# KiCad board gk-pcbv3.kicad_pcb (continued)
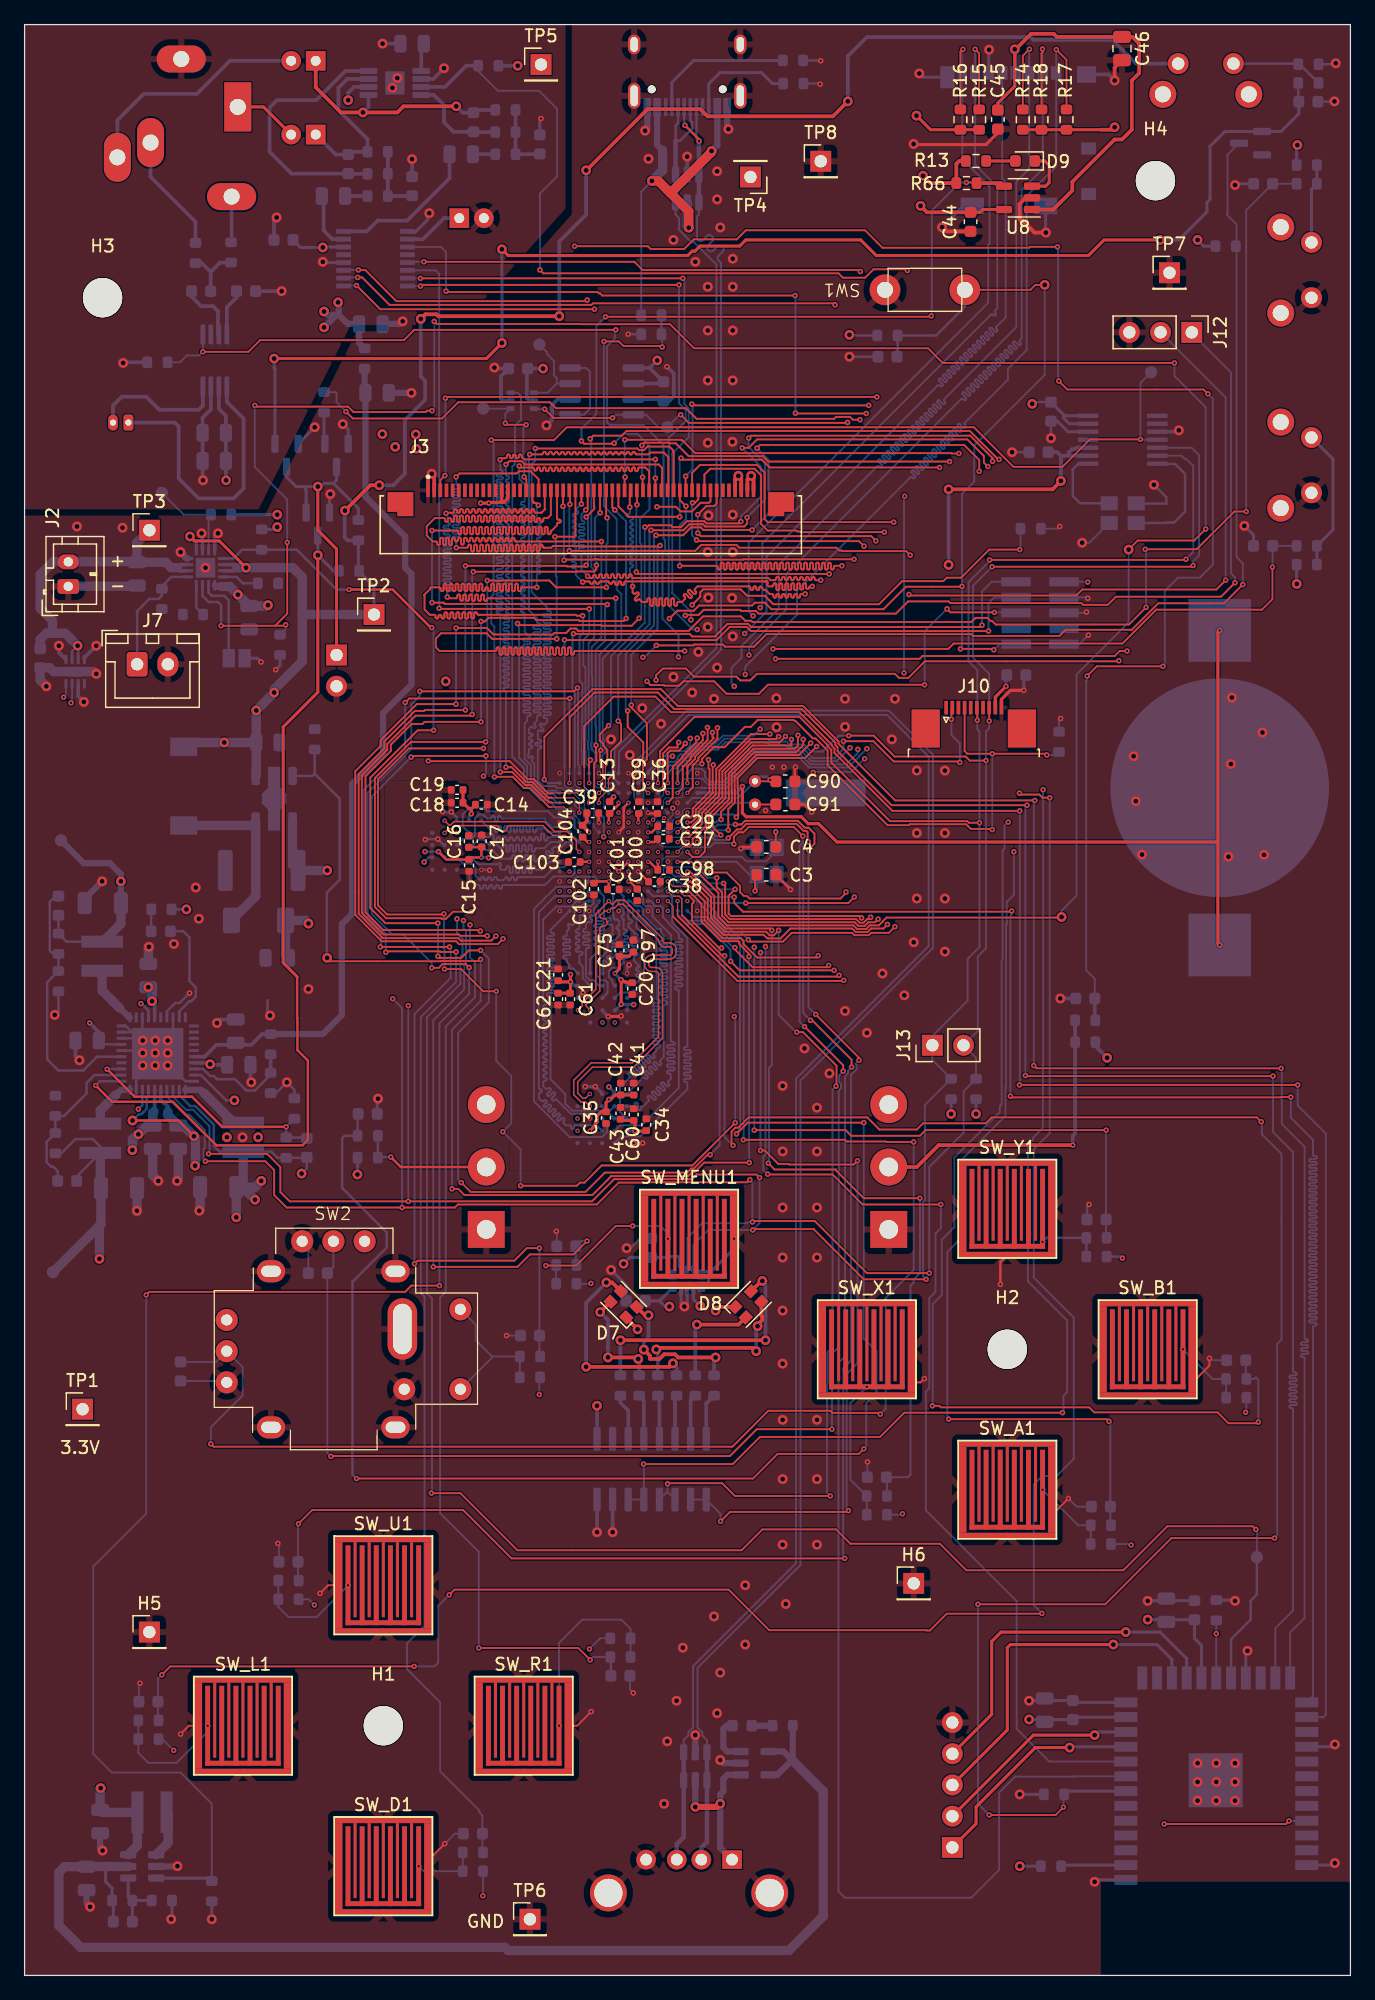
[diagram p0: board, top side]
## Routing (per net, layer and track width the routed paths; a pad name or vN(x,y) marks a point on that pad's centre or on a via; arc(x,y) is an arc through that point) (continued)
  Bottom w0.152: U4.P1 56.02,86.17 56.02,86.09 57.51,84.61 58.09,84.61 58.55,84.15 58.55,68.02 v1(58.52,68) ; v1(15.16,43.26) 15.16,44.6 17.75,47.19 17.75,49.5 SW2.9 15.58,49.92 C95.1 ; v1(72.39,67.82) 72.39,57.4 70.1,55.12 70.1,46.1 v1(69.67,45.67)
LCD_CS: length 75.3
  Top w0.09: v3(53.17,87.43) 53.17,86.23 53.18,86.22
  Top w0.152: 53.18,86.22 58.12,81.28 66.22,81.28 v1(66.32,81.38) ; v1(70,117.45) 63.2,117.45 63.14,117.5 62.92,117.5 62.84,117.58 60.5,117.58 59.97,118.11 59.97,122.07 59.44,122.61 55.83,122.61 55.35,122.13 J3.46
  In3.Cu w0.152: v1(70,117.45) 69.98,117.42 69.98,111.3 65.81,107.14 65.81,99.34 65.51,99.03 65.51,84.76 65.56,84.71 65.56,84.58 66.32,83.82 v1(66.32,81.38)
LCD_RESET: length 35.8
  Top w0.152: v1(51.49,119.51) 53.04,119.51 53.41,119.14 54.34,119.14 55.04,119.84 55.73,119.84 55.85,119.96 J3.47
  In3.Cu w0.152: v1(51.49,119.51) 52.55,118.44 52.55,111.28 49.63,108.36 49.63,104.88 50.98,103.53 50.98,102.77 50.52,102.31 50.52,99.54 49.52,98.54 49.52,97.14 49.93,96.73 49.93,96.44 49.78,96.3 49.78,96.16 50.27,95.68 50.27,94.54 50.55,94.26 50.88,94.26 51.09,94.04 v3(51.17,94.04)
  Bottom w0.152: U4.E5 51.57,94.43 v3(51.17,94.04)
LCD_SCL: length 72.1
  Top w0.152: v1(57.83,83.65) 57.83,83.49 59.28,82.04 65.32,82.04 v1(65.47,82.19) ; v1(54.71,116.81) 54.71,116.79 54.79,116.71 67.94,116.71 v1(68.35,116.31) ; v1(54.38,119.84) 54.58,119.84 54.85,120.1 J3.45
  In3.Cu w0.152: v1(65.47,82.19) 65.47,83.45 65.2,83.72 65.2,83.92 64.92,84.2 64.92,99.29 65.23,99.59 65.23,100.63 65.15,100.71 65.15,107.7 68.33,110.87 68.33,116.28 v1(68.35,116.31)
  Bottom w0.09: U4.N5 51.93,88.23 51.93,88.24 52.27,88.58 52.49,88.58 52.72,88.35 52.72,88.07 52.95,87.85 53.28,87.85 53.54,87.59 53.54,86.3
  Bottom w0.152: v1(54.71,116.81) 54.33,117.2 54.33,119.79 v1(54.38,119.84) ; 53.54,86.3 54,85.83 55.5,85.83 57.68,83.65 v1(57.83,83.65)
LCD_SDI: length 79.5
  Top w0.09: 52.8,86.22 52.8,86.99 v3(52.37,87.43)
  Top w0.152: v1(66.7,80.98) 66.65,80.92 58.04,80.92 52.8,86.16 52.8,86.22 ; v1(70.76,118.26) 60.5,118.26 60.25,118.52 60.25,122.3 59.64,122.91 54.99,122.91 54.35,122.27 J3.44
  In3.Cu w0.152: v1(70.76,118.26) 70.76,111.15 66.17,106.55 66.17,105.33 66.12,105.28 66.12,99.21 65.81,98.91 65.81,84.86 66.72,83.95 66.72,81 v1(66.7,80.98)
LCD_SDO: length 71.7
  Top w0.152: v1(54.81,118.87) 55.5,119.56 56.13,119.56 56.35,119.77 J3.48 ; v1(54.81,117.37) 55.07,117.12 68.94,117.12 v1(69.32,116.74) ; v1(57.48,82.52) 58.22,81.79 v1(65.91,81.79)
  In3.Cu w0.152: v1(69.32,116.74) 69.29,116.71 69.29,111.23 65.48,107.42 65.48,99.44 65.18,99.14 65.18,84.99 65.2,84.96 65.2,84.35 65.91,83.64 v1(65.91,81.79)
  Bottom w0.152: v1(57.48,82.52) 57.48,83.45 56.91,84.02 56.91,84.06 55.4,85.57 53.9,85.57 53.17,86.31 U4.R3 ; v1(54.81,118.87) v1(54.81,117.37)
LED_BACKLIGHT_PWM: length 103
  Top w0.152: v1(58.98,82.91) 58.98,83.14 58.17,83.96 58.17,84.07 58.08,84.16 56.71,84.16 55.11,85.76 55.11,87.21 54.1,88.23 v3(53.97,88.23) ; v2(24.64,82.8) 24.91,82.53 33.92,82.53 33.94,82.55 37,82.55 v1(37.13,82.68) ; v1(34.8,64.01) 35.31,64.01 35.81,63.5 46.23,63.5 47.75,65.02 47.75,65.05 54.03,65.05 54.39,65.41 54.59,65.41 55.33,66.14 v1(59,66.14)
  Bottom w0.152: v1(37.13,82.68) 37.13,79.3 34.8,76.96 v1(34.8,64.01) ; v1(59,66.14) 59,67.09 58.98,67.11 v1(58.98,82.91)
  Bottom w0.203: U22.3 23.44,97.61 23.62,97.79 ; 23.62,97.79 25.65,95.76 25.65,89.15 24.61,88.11 24.61,82.83 v2(24.64,82.8) ; 23.62,97.79 R4.1
LPTIM5_OUT: length 145.9
  Top w0.152: v1(33.12,39.24) 35.48,39.24 40.13,34.59 58.37,34.59 60.07,36.3 66.07,36.3 67.23,35.13 74.52,35.13 76.68,32.97 89.46,32.97 93.04,36.55 100,36.55 v1(100.25,36.3)
  In3.Cu w0.09: v3(45.17,89.83) 44.84,90.15 43.74,90.15
  In3.Cu w0.152: 43.74,90.15 43.5,90.15 39.52,86.17 36.24,86.17 36.15,86.26 35.48,86.26 v1(35.2,85.98)
  Bottom w0.152: v1(100.25,36.3) 100.33,36.22 TP15.1 ; v1(35.2,85.98) 35.2,84.84 35.66,84.38 35.66,83.08 35.48,82.91 35.48,80.7 32.77,77.98 32.77,55.5 33.17,55.09 33.17,39.29 v1(33.12,39.24)
  Bottom w0.203: U25.20 98.23,27.36 99.82,28.96 99.82,30.48 100.33,30.99 TP15.1
LTDC_B0: length 83.6
  Top w0.152: v1(55.87,89.75) 57.17,89.75 58.26,88.66 58.26,88.15 58.56,87.85 58.81,87.85 59.03,87.63 66.42,87.63 66.88,88.09 v1(66.88,88.16) ; v1(54.33,127.86) 54.43,127.76 v1(68.73,127.76) ; J3.43 53.82,120.88 v1(53.82,122)
  In3.Cu w0.152: v1(68.73,127.76) 73.28,123.22 73.28,110.36 69.24,106.32 69.24,99.49 69.22,99.46 69.22,99.25 66.88,96.92 v1(66.88,88.16)
  Bottom w0.09: 55.11,90.18 55.08,90.21 52.14,90.21 52.04,90.11 52.04,89.67 51.57,89.2 U4.M5
  Bottom w0.152: v1(55.87,89.75) 55.44,90.18 55.11,90.18 ; v1(53.82,122) 54.38,122.56 54.38,127.81 v1(54.33,127.86)
LTDC_B1: length 68.2
  Top w0.152: v1(53.34,114.71) 56.34,114.71 arc(56.4,114.68) 56.43,114.61 56.43,114.5 arc(56.46,114.43) 56.53,114.41 56.58,114.41 arc(56.65,114.43) 56.68,114.5 56.68,114.86 arc(56.7,114.93) 56.77,114.96 56.82,114.96 arc(56.89,114.93) 56.92,114.86 56.92,114.5 arc(56.95,114.43) 57.02,114.41 57.06,114.41 arc(57.13,114.43) 57.16,114.5 57.16,114.86 arc(57.19,114.93) 57.26,114.96 57.31,114.96 arc(57.37,114.93) 57.4,114.86 57.4,114.5 arc(57.43,114.43) 57.5,114.41 57.55,114.41 arc(57.62,114.43) 57.65,114.5 57.65,114.86 arc(57.67,114.93) 57.74,114.96 57.79,114.96 arc(57.86,114.93) 57.89,114.86 57.89,114.5 arc(57.92,114.43) 57.98,114.41 58.03,114.41 arc(58.1,114.43) 58.13,114.5 58.13,114.86 arc(58.16,114.93) 58.23,114.96 58.28,114.96 arc(58.34,114.93) 58.37,114.86 58.37,114.5 arc(58.4,114.43) 58.47,114.41 58.52,114.41 arc(58.59,114.43) 58.61,114.5 58.61,114.86 arc(58.64,114.93) 58.71,114.96 58.76,114.96 arc(58.83,114.93) 58.86,114.86 58.86,114.5 arc(58.89,114.43) 58.95,114.41 59,114.41 arc(59.07,114.43) 59.1,114.5 59.1,114.86 arc(59.13,114.93) 59.2,114.96 59.25,114.96 arc(59.31,114.93) 59.34,114.86 59.34,114.5 arc(59.37,114.43) 59.44,114.41 59.49,114.41 arc(59.56,114.43) 59.58,114.5 59.58,114.86 arc(59.61,114.93) 59.68,114.96 59.73,114.96 arc(59.8,114.93) 59.83,114.86 59.83,114.5 arc(59.86,114.43) 59.92,114.41 59.97,114.41 arc(60.04,114.43) 60.07,114.5 60.07,114.86 arc(60.1,114.93) 60.17,114.96 60.21,114.96 arc(60.28,114.93) 60.31,114.86 60.31,114.5 arc(60.34,114.43) 60.41,114.41 60.46,114.41 arc(60.53,114.43) 60.55,114.5 60.55,114.86 arc(60.58,114.93) 60.65,114.96 60.7,114.96 arc(60.77,114.93) 60.8,114.86 60.8,114.5 arc(60.82,114.43) 60.89,114.41 60.94,114.41 arc(61.01,114.43) 61.04,114.5 61.04,114.86 arc(61.07,114.93) 61.14,114.96 61.18,114.96 arc(61.25,114.93) 61.28,114.86 61.28,114.5 arc(61.31,114.43) 61.38,114.41 61.43,114.41 arc(61.5,114.43) 61.52,114.5 61.52,114.86 arc(61.55,114.93) 61.62,114.96 61.67,114.96 arc(61.74,114.93) 61.77,114.86 61.77,114.5 arc(61.79,114.43) 61.86,114.41 61.91,114.41 arc(61.98,114.43) 62.01,114.5 62.01,114.86 arc(62.04,114.93) 62.11,114.96 62.15,114.96 arc(62.22,114.93) 62.25,114.86 62.25,114.5 arc(62.28,114.43) 62.35,114.41 62.4,114.41 arc(62.46,114.43) 62.49,114.5 62.49,114.86 arc(62.52,114.93) 62.59,114.96 62.64,114.96 arc(62.71,114.93) 62.74,114.86 62.74,114.5 arc(62.76,114.43) 62.83,114.41 62.88,114.41 arc(62.95,114.43) 62.98,114.5 62.98,114.86 arc(63.01,114.93) 63.08,114.96 63.12,114.96 arc(63.19,114.93) 63.22,114.86 63.22,114.5 arc(63.25,114.43) 63.32,114.41 63.37,114.41 arc(63.43,114.43) 63.46,114.5 63.46,114.86 arc(63.49,114.93) 63.56,114.96 63.61,114.96 arc(63.68,114.93) 63.71,114.86 63.71,114.5 arc(63.73,114.43) 63.8,114.41 63.85,114.41 arc(63.92,114.43) 63.95,114.5 63.95,114.86 arc(63.98,114.93) 64.04,114.96 64.09,114.96 arc(64.16,114.93) 64.19,114.86 64.19,114.5 arc(64.22,114.43) 64.29,114.41 64.34,114.41 arc(64.4,114.43) 64.43,114.5 64.43,114.86 arc(64.46,114.93) 64.53,114.96 64.58,114.96 arc(64.65,114.93) 64.67,114.86 64.67,114.5 arc(64.7,114.43) 64.77,114.41 64.82,114.41 arc(64.89,114.43) 64.92,114.5 64.92,114.86 arc(64.95,114.93) 65.01,114.96 65.06,114.96 arc(65.13,114.93) 65.16,114.86 65.16,114.5 arc(65.19,114.43) 65.26,114.41 65.31,114.41 arc(65.37,114.43) 65.4,114.5 65.4,114.86 arc(65.43,114.93) 65.5,114.96 65.55,114.96 arc(65.62,114.93) 65.64,114.86 65.64,114.5 arc(65.67,114.43) 65.74,114.41 65.79,114.41 arc(65.86,114.43) 65.89,114.5 65.89,114.61 arc(65.92,114.68) 65.98,114.71 v1(66.55,114.71) ; v1(64,100.28) 63.03,99.3 59.55,99.3 57.81,97.56 57.81,96.49 57.83,96.47 57.83,95.44 57.29,94.91 v1(57.29,93.2) ; J3.42 53.35,120.05 v1(53.85,119.56)
  In3.Cu w0.152: v1(64,100.28) 63.91,100.37 63.91,108.1 66.45,110.64 66.45,114.6 v1(66.55,114.71)
  Bottom w0.152: v1(57.29,93.2) 57.28,93.19 55.95,93.19 55.31,93.83 U4.F1 ; v1(53.85,119.56) 53.85,118.52 53.34,118.01 v1(53.34,114.71)
LTDC_B2: length 66.5
  Top w0.152: v1(41.58,124.26) 49.89,124.26 50.03,124.12 50.43,124.12 50.72,124.41 52.5,124.41 52.78,124.13 52.78,124 52.86,123.93 52.86,120.86 J3.41
  Bottom w0.09: 43.4,96.63 43.78,96.63 44.19,96.23 U4.C14
  Bottom w0.152: 43.4,96.63 43.37,96.63 43.22,96.78 42.28,96.78 41.78,97.28 41.78,99.74 arc(41.81,99.81) 41.88,99.84 41.99,99.84 arc(42.05,99.86) 42.08,99.93 42.08,99.98 arc(42.05,100.05) 41.99,100.08 41.68,100.08 arc(41.61,100.11) 41.58,100.17 41.58,100.22 arc(41.61,100.29) 41.68,100.32 41.99,100.32 arc(42.05,100.35) 42.08,100.42 42.08,100.47 arc(42.05,100.53) 41.99,100.56 41.88,100.56 arc(41.81,100.59) 41.78,100.66 41.78,101.24 41.86,101.32 arc(41.93,101.35) 42,101.32 42.07,101.24 arc(42.14,101.22) 42.21,101.24 42.24,101.28 arc(42.27,101.35) 42.24,101.42 41.95,101.7 arc(41.93,101.77) 41.95,101.84 41.99,101.87 arc(42.06,101.9) 42.13,101.87 42.2,101.8 arc(42.27,101.77) 42.34,101.8 42.55,102.01 42.55,102.21 arc(42.52,102.28) 42.45,102.31 42.34,102.31 arc(42.27,102.34) 42.24,102.41 42.24,102.45 arc(42.27,102.52) 42.34,102.55 42.75,102.55 arc(42.82,102.58) 42.84,102.65 42.84,102.7 arc(42.82,102.77) 42.75,102.79 42.34,102.79 arc(42.27,102.82) 42.24,102.89 42.24,102.94 arc(42.27,103.01) 42.34,103.04 42.75,103.04 arc(42.82,103.06) 42.84,103.13 42.84,103.18 arc(42.82,103.25) 42.75,103.28 42.34,103.28 arc(42.27,103.31) 42.24,103.38 42.24,103.42 arc(42.27,103.49) 42.34,103.52 42.75,103.52 arc(42.82,103.55) 42.84,103.62 42.84,103.67 arc(42.82,103.73) 42.75,103.76 42.34,103.76 arc(42.27,103.79) 42.24,103.86 42.24,103.91 arc(42.27,103.98) 42.34,104.01 42.75,104.01 arc(42.82,104.03) 42.84,104.1 42.84,104.15 arc(42.82,104.22) 42.75,104.25 42.34,104.25 arc(42.27,104.28) 42.24,104.34 42.24,104.39 arc(42.27,104.46) 42.34,104.49 42.75,104.49 arc(42.82,104.52) 42.84,104.59 42.84,104.64 arc(42.82,104.7) 42.75,104.73 42.34,104.73 arc(42.27,104.76) 42.24,104.83 42.24,104.88 arc(42.27,104.95) 42.34,104.98 42.75,104.98 arc(42.82,105) 42.84,105.07 42.84,105.12 arc(42.82,105.19) 42.75,105.22 42.34,105.22 arc(42.27,105.25) 42.24,105.31 42.24,105.36 arc(42.27,105.43) 42.34,105.46 42.75,105.46 arc(42.82,105.49) 42.84,105.56 42.84,105.61 arc(42.82,105.67) 42.75,105.7 42.34,105.7 arc(42.27,105.73) 42.24,105.8 42.24,105.85 arc(42.27,105.92) 42.34,105.94 42.75,105.94 arc(42.82,105.97) 42.84,106.04 42.84,106.09 arc(42.82,106.16) 42.75,106.19 42.34,106.19 arc(42.27,106.22) 42.24,106.28 42.24,106.33 arc(42.27,106.4) 42.34,106.43 42.75,106.43 arc(42.82,106.46) 42.84,106.53 42.84,106.57 arc(42.82,106.64) 42.75,106.67 42.34,106.67 arc(42.27,106.7) 42.24,106.77 42.24,106.82 arc(42.27,106.89) 42.34,106.91 42.75,106.91 arc(42.82,106.94) 42.84,107.01 42.84,107.06 arc(42.82,107.13) 42.75,107.16 42.34,107.16 arc(42.27,107.19) 42.24,107.25 42.24,107.3 arc(42.27,107.37) 42.34,107.4 42.75,107.4 arc(42.82,107.43) 42.84,107.5 42.84,107.54 arc(42.82,107.61) 42.75,107.64 42.34,107.64 arc(42.27,107.67) 42.24,107.74 42.24,107.79 arc(42.27,107.86) 42.34,107.88 42.75,107.88 arc(42.82,107.91) 42.84,107.98 42.84,108.03 arc(42.82,108.1) 42.75,108.13 42.34,108.13 arc(42.27,108.15) 42.24,108.22 42.24,108.27 arc(42.27,108.34) 42.34,108.37 42.75,108.37 arc(42.82,108.4) 42.84,108.47 42.84,108.51 arc(42.82,108.58) 42.75,108.61 42.34,108.61 arc(42.27,108.64) 42.24,108.71 42.24,108.76 arc(42.27,108.83) 42.34,108.85 42.75,108.85 arc(42.82,108.88) 42.84,108.95 42.84,109 arc(42.82,109.07) 42.75,109.1 42.34,109.1 arc(42.27,109.12) 42.24,109.19 42.24,109.24 arc(42.27,109.31) 42.34,109.34 42.75,109.34 arc(42.82,109.37) 42.84,109.44 42.84,109.48 arc(42.82,109.55) 42.75,109.58 42.34,109.58 arc(42.27,109.61) 42.24,109.68 42.24,109.73 arc(42.27,109.79) 42.34,109.82 42.75,109.82 arc(42.82,109.85) 42.84,109.92 42.84,109.97 arc(42.82,110.04) 42.75,110.07 42.34,110.07 arc(42.27,110.09) 42.24,110.16 42.24,110.21 arc(42.27,110.28) 42.34,110.31 42.75,110.31 arc(42.82,110.34) 42.84,110.4 42.84,110.45 arc(42.82,110.52) 42.75,110.55 42.34,110.55 arc(42.27,110.58) 42.24,110.65 42.24,110.7 arc(42.27,110.76) 42.34,110.79 42.75,110.79 arc(42.82,110.82) 42.84,110.89 42.84,110.94 arc(42.82,111.01) 42.75,111.04 42.64,111.04 arc(42.57,111.06) 42.55,111.13 42.55,111.33 41.3,112.57 41.3,122.99 41.58,123.27 v1(41.58,124.26)
LTDC_B3: length 65.9
  Top w0.152: v1(41.12,123.77) 42.11,123.77 arc(42.18,123.8) 42.21,123.87 42.21,123.88 arc(42.24,123.95) 42.31,123.97 42.35,123.97 arc(42.42,123.95) 42.45,123.88 42.45,123.87 arc(42.48,123.8) 42.55,123.77 42.6,123.77 arc(42.67,123.8) 42.69,123.87 42.69,123.88 arc(42.72,123.95) 42.79,123.97 42.84,123.97 arc(42.91,123.95) 42.94,123.88 42.94,123.87 arc(42.97,123.8) 43.03,123.77 43.08,123.77 arc(43.15,123.8) 43.18,123.87 43.18,123.88 arc(43.21,123.95) 43.28,123.97 43.32,123.97 arc(43.39,123.95) 43.42,123.88 43.42,123.87 arc(43.45,123.8) 43.52,123.77 43.57,123.77 arc(43.64,123.8) 43.66,123.87 43.66,123.88 arc(43.69,123.95) 43.76,123.97 43.81,123.97 arc(43.88,123.95) 43.91,123.88 43.91,123.87 arc(43.93,123.8) 44,123.77 44.05,123.77 arc(44.12,123.8) 44.15,123.87 44.15,123.88 arc(44.18,123.95) 44.25,123.97 44.29,123.97 arc(44.36,123.95) 44.39,123.88 44.39,123.87 arc(44.42,123.8) 44.49,123.77 44.54,123.77 arc(44.61,123.8) 44.63,123.87 44.63,123.88 arc(44.66,123.95) 44.73,123.97 44.78,123.97 arc(44.85,123.95) 44.88,123.88 44.88,123.87 arc(44.9,123.8) 44.97,123.77 45.02,123.77 arc(45.09,123.8) 45.12,123.87 45.12,123.88 arc(45.15,123.95) 45.22,123.97 45.26,123.97 arc(45.33,123.95) 45.36,123.88 45.36,123.87 arc(45.39,123.8) 45.46,123.77 45.51,123.77 arc(45.57,123.8) 45.6,123.87 45.6,123.88 arc(45.63,123.95) 45.7,123.97 45.75,123.97 arc(45.82,123.95) 45.85,123.88 45.85,123.87 arc(45.87,123.8) 45.94,123.77 45.99,123.77 arc(46.06,123.8) 46.09,123.87 46.09,123.88 arc(46.12,123.95) 46.18,123.97 46.23,123.97 arc(46.3,123.95) 46.33,123.88 46.33,123.87 arc(46.36,123.8) 46.43,123.77 46.48,123.77 arc(46.54,123.8) 46.57,123.87 46.57,123.88 arc(46.6,123.95) 46.67,123.97 46.72,123.97 arc(46.79,123.95) 46.82,123.88 46.82,123.87 arc(46.84,123.8) 46.91,123.77 46.96,123.77 arc(47.03,123.8) 47.06,123.87 47.06,123.88 arc(47.09,123.95) 47.15,123.97 47.2,123.97 arc(47.27,123.95) 47.3,123.88 47.3,123.87 arc(47.33,123.8) 47.4,123.77 47.45,123.77 arc(47.51,123.8) 47.54,123.87 47.54,123.88 arc(47.57,123.95) 47.64,123.97 47.69,123.97 arc(47.76,123.95) 47.78,123.88 47.78,123.87 arc(47.81,123.8) 47.88,123.77 47.93,123.77 arc(48,123.8) 48.03,123.87 48.03,123.88 arc(48.06,123.95) 48.12,123.97 48.17,123.97 arc(48.24,123.95) 48.27,123.88 48.27,123.87 arc(48.3,123.8) 48.37,123.77 48.41,123.77 arc(48.48,123.8) 48.51,123.87 48.51,123.88 arc(48.54,123.95) 48.61,123.97 48.66,123.97 arc(48.73,123.95) 48.75,123.88 48.75,123.87 arc(48.78,123.8) 48.85,123.77 48.9,123.77 arc(48.97,123.8) 49,123.87 49,123.88 arc(49.03,123.95) 49.09,123.97 49.14,123.97 arc(49.21,123.95) 49.24,123.88 49.24,123.87 arc(49.27,123.8) 49.34,123.77 49.38,123.77 arc(49.45,123.8) 49.48,123.87 49.48,123.88 arc(49.51,123.95) 49.58,123.97 49.63,123.97 arc(49.7,123.95) 49.72,123.88 49.72,123.87 arc(49.75,123.8) 49.82,123.77 50.8,123.77 50.95,123.93 52.04,123.93 52.41,123.56 52.41,120.91 J3.40
  Bottom w0.152: v1(41.12,123.77) 41.06,123.71 41.06,111.11 41.73,110.44 41.73,110.15 arc(41.76,110.08) 41.83,110.05 41.94,110.05 arc(42,110.02) 42.03,109.95 42.03,109.9 arc(42,109.84) 41.94,109.81 41.53,109.81 arc(41.46,109.78) 41.43,109.71 41.43,109.66 arc(41.46,109.59) 41.53,109.57 41.94,109.57 arc(42,109.54) 42.03,109.47 42.03,109.42 arc(42,109.35) 41.94,109.32 41.53,109.32 arc(41.46,109.29) 41.43,109.23 41.43,109.18 arc(41.46,109.11) 41.53,109.08 41.94,109.08 arc(42,109.05) 42.03,108.98 42.03,108.93 arc(42,108.87) 41.94,108.84 41.53,108.84 arc(41.46,108.81) 41.43,108.74 41.43,108.69 arc(41.46,108.62) 41.53,108.6 41.94,108.6 arc(42,108.57) 42.03,108.5 42.03,108.45 arc(42,108.38) 41.94,108.35 41.53,108.35 arc(41.46,108.32) 41.43,108.26 41.43,108.21 arc(41.46,108.14) 41.53,108.11 41.94,108.11 arc(42,108.08) 42.03,108.01 42.03,107.97 arc(42,107.9) 41.94,107.87 41.53,107.87 arc(41.46,107.84) 41.43,107.77 41.43,107.72 arc(41.46,107.65) 41.53,107.63 41.94,107.63 arc(42,107.6) 42.03,107.53 42.03,107.48 arc(42,107.41) 41.94,107.38 41.53,107.38 arc(41.46,107.36) 41.43,107.29 41.43,107.24 arc(41.46,107.17) 41.53,107.14 41.94,107.14 arc(42,107.11) 42.03,107.04 42.03,107 arc(42,106.93) 41.94,106.9 41.53,106.9 arc(41.46,106.87) 41.43,106.8 41.43,106.75 arc(41.46,106.68) 41.53,106.66 41.94,106.66 arc(42,106.63) 42.03,106.56 42.03,106.51 arc(42,106.44) 41.94,106.41 41.53,106.41 arc(41.46,106.39) 41.43,106.32 41.43,106.27 arc(41.46,106.2) 41.53,106.17 41.94,106.17 arc(42,106.14) 42.03,106.07 42.03,106.03 arc(42,105.96) 41.94,105.93 41.53,105.93 arc(41.46,105.9) 41.43,105.83 41.43,105.78 arc(41.46,105.72) 41.53,105.69 41.94,105.69 arc(42,105.66) 42.03,105.59 42.03,105.54 arc(42,105.47) 41.94,105.44 41.53,105.44 arc(41.46,105.42) 41.43,105.35 41.43,105.3 arc(41.46,105.23) 41.53,105.2 41.94,105.2 arc(42,105.17) 42.03,105.1 42.03,105.06 arc(42,104.99) 41.94,104.96 41.53,104.96 arc(41.46,104.93) 41.43,104.86 41.43,104.81 arc(41.46,104.75) 41.53,104.72 41.94,104.72 arc(42,104.69) 42.03,104.62 42.03,104.57 arc(42,104.5) 41.94,104.47 41.53,104.47 arc(41.46,104.45) 41.43,104.38 41.43,104.33 arc(41.46,104.26) 41.53,104.23 41.94,104.23 arc(42,104.2) 42.03,104.14 42.03,104.09 arc(42,104.02) 41.94,103.99 41.53,103.99 arc(41.46,103.96) 41.43,103.89 41.43,103.84 arc(41.46,103.78) 41.53,103.75 41.94,103.75 arc(42,103.72) 42.03,103.65 42.03,103.6 arc(42,103.53) 41.94,103.51 41.53,103.51 arc(41.46,103.48) 41.43,103.41 41.43,103.36 arc(41.46,103.29) 41.53,103.26 41.94,103.26 arc(42,103.23) 42.03,103.17 42.03,103.12 arc(42,103.05) 41.94,103.02 41.53,103.02 arc(41.46,102.99) 41.43,102.92 41.43,102.87 arc(41.46,102.81) 41.53,102.78 41.94,102.78 arc(42,102.75) 42.03,102.68 42.03,102.63 arc(42,102.56) 41.94,102.54 41.83,102.54 arc(41.76,102.51) 41.73,102.44 41.73,102.12 41.53,101.92 arc(41.5,101.85) 41.53,101.78 41.6,101.7 arc(41.63,101.64) 41.6,101.57 41.57,101.53 arc(41.5,101.5) 41.43,101.53 41.35,101.61 arc(41.29,101.64) 41.22,101.61 41.06,101.45 41.06,101.16 arc(41.08,101.09) 41.15,101.06 41.26,101.06 arc(41.33,101.03) 41.36,100.96 41.36,100.91 arc(41.33,100.84) 41.26,100.82 41.15,100.82 arc(41.08,100.79) 41.06,100.72 41.06,100.67 arc(41.08,100.6) 41.15,100.57 41.26,100.57 arc(41.33,100.55) 41.36,100.48 41.36,100.43 arc(41.33,100.36) 41.26,100.33 41.15,100.33 arc(41.08,100.3) 41.06,100.23 41.06,100.19 arc(41.08,100.12) 41.15,100.09 41.26,100.09 arc(41.33,100.06) 41.36,99.99 41.36,99.94 arc(41.33,99.87) 41.26,99.85 41.15,99.85 arc(41.08,99.82) 41.06,99.75 41.06,99.43 41,99.36 41,99.11 arc(41.06,99.08) 41.13,99.11 41.21,99.19 arc(41.28,99.21) 41.34,99.19 41.38,99.15 arc(41.41,99.08) 41.38,99.01 41.3,98.94 arc(41.28,98.87) 41.3,98.8 41.5,98.6 41.5,97.22 42.33,96.39 43.27,96.39 43.44,96.23 U4.C15
LTDC_B4: length 64.6
  Top w0.09: 42.92,95.82 44.7,95.82 45.17,95.35 v3(45.17,94.63)
  Top w0.152: v1(39.19,98.32) 39.65,98.32 40.87,97.11 41.37,97.11 42.66,95.82 42.92,95.82 ; v1(39.19,122.95) 39.46,123.22 40.48,123.22 40.75,122.95 51.63,122.95 51.9,122.68 51.9,120.9 J3.39
  Bottom w0.152: v1(39.19,98.32) 39.19,104.47 arc(39.16,104.54) 39.1,104.57 39.09,104.57 arc(39.02,104.6) 38.99,104.67 38.99,104.71 arc(39.02,104.78) 39.09,104.81 39.35,104.81 arc(39.41,104.84) 39.44,104.91 39.44,104.96 arc(39.41,105.03) 39.35,105.05 39.09,105.05 arc(39.02,105.08) 38.99,105.15 38.99,105.2 arc(39.02,105.27) 39.09,105.3 39.35,105.3 arc(39.41,105.32) 39.44,105.39 39.44,105.44 arc(39.41,105.51) 39.35,105.54 39.09,105.54 arc(39.02,105.57) 38.99,105.64 38.99,105.68 arc(39.02,105.75) 39.09,105.78 39.35,105.78 arc(39.41,105.81) 39.44,105.88 39.44,105.93 arc(39.41,106) 39.35,106.02 39.09,106.02 arc(39.02,106.05) 38.99,106.12 38.99,106.17 arc(39.02,106.24) 39.09,106.27 39.35,106.27 arc(39.41,106.29) 39.44,106.36 39.44,106.41 arc(39.41,106.48) 39.35,106.51 39.09,106.51 arc(39.02,106.54) 38.99,106.61 38.99,106.65 arc(39.02,106.72) 39.09,106.75 39.35,106.75 arc(39.41,106.78) 39.44,106.85 39.44,106.9 arc(39.41,106.96) 39.35,106.99 39.09,106.99 arc(39.02,107.02) 38.99,107.09 38.99,107.14 arc(39.02,107.21) 39.09,107.24 39.35,107.24 arc(39.41,107.26) 39.44,107.33 39.44,107.38 arc(39.41,107.45) 39.35,107.48 39.09,107.48 arc(39.02,107.51) 38.99,107.57 38.99,107.62 arc(39.02,107.69) 39.09,107.72 39.35,107.72 arc(39.41,107.75) 39.44,107.82 39.44,107.87 arc(39.41,107.93) 39.35,107.96 39.09,107.96 arc(39.02,107.99) 38.99,108.06 38.99,108.11 arc(39.02,108.18) 39.09,108.21 39.35,108.21 arc(39.41,108.23) 39.44,108.3 39.44,108.35 arc(39.41,108.42) 39.35,108.45 39.09,108.45 arc(39.02,108.48) 38.99,108.54 38.99,108.59 arc(39.02,108.66) 39.09,108.69 39.35,108.69 arc(39.41,108.72) 39.44,108.79 39.44,108.84 arc(39.41,108.9) 39.35,108.93 39.09,108.93 arc(39.02,108.96) 38.99,109.03 38.99,109.08 arc(39.02,109.15) 39.09,109.17 39.35,109.17 arc(39.41,109.2) 39.44,109.27 39.44,109.32 arc(39.41,109.39) 39.35,109.42 39.09,109.42 arc(39.02,109.45) 38.99,109.51 38.99,109.56 arc(39.02,109.63) 39.09,109.66 39.35,109.66 arc(39.41,109.69) 39.44,109.76 39.44,109.8 arc(39.41,109.87) 39.35,109.9 39.09,109.9 arc(39.02,109.93) 38.99,110 38.99,110.05 arc(39.02,110.12) 39.09,110.14 39.35,110.14 arc(39.41,110.17) 39.44,110.24 39.44,110.29 arc(39.41,110.36) 39.35,110.39 39.09,110.39 arc(39.02,110.42) 38.99,110.48 38.99,110.53 arc(39.02,110.6) 39.09,110.63 39.35,110.63 arc(39.41,110.66) 39.44,110.73 39.44,110.77 arc(39.41,110.84) 39.35,110.87 39.29,110.87 arc(39.22,110.9) 39.19,110.97 39.19,111.02 arc(39.22,111.09) 39.29,111.11 39.35,111.11 arc(39.41,111.14) 39.44,111.21 39.44,111.26 arc(39.41,111.33) 39.35,111.36 39.29,111.36 arc(39.22,111.38) 39.19,111.45 39.19,111.5 arc(39.22,111.57) 39.29,111.6 39.35,111.6 arc(39.41,111.63) 39.44,111.7 39.44,111.74 arc(39.41,111.81) 39.35,111.84 39.29,111.84 arc(39.22,111.87) 39.19,111.94 39.19,111.99 arc(39.22,112.06) 39.29,112.08 39.35,112.08 arc(39.41,112.11) 39.44,112.18 39.44,112.23 arc(39.41,112.3) 39.35,112.33 39.29,112.33 arc(39.22,112.35) 39.19,112.42 39.19,112.47 arc(39.22,112.54) 39.29,112.57 39.35,112.57 arc(39.41,112.6) 39.44,112.67 39.44,112.71 arc(39.41,112.78) 39.35,112.81 39.29,112.81 arc(39.22,112.84) 39.19,112.91 39.19,112.96 arc(39.22,113.02) 39.29,113.05 39.35,113.05 arc(39.41,113.08) 39.44,113.15 39.44,113.2 arc(39.41,113.27) 39.35,113.3 39.29,113.3 arc(39.22,113.32) 39.19,113.39 39.19,113.44 arc(39.22,113.51) 39.29,113.54 39.35,113.54 arc(39.41,113.57) 39.44,113.63 39.44,113.68 arc(39.41,113.75) 39.35,113.78 39.29,113.78 arc(39.22,113.81) 39.19,113.88 39.19,113.93 arc(39.22,113.99) 39.29,114.02 39.35,114.02 arc(39.41,114.05) 39.44,114.12 39.44,114.17 arc(39.41,114.24) 39.35,114.27 39.29,114.27 arc(39.22,114.29) 39.19,114.36 39.19,114.41 arc(39.22,114.48) 39.29,114.51 39.35,114.51 arc(39.41,114.54) 39.44,114.6 39.44,114.65 arc(39.41,114.72) 39.35,114.75 39.29,114.75 arc(39.22,114.78) 39.19,114.85 39.19,114.9 arc(39.22,114.96) 39.29,114.99 39.35,114.99 arc(39.41,115.02) 39.44,115.09 39.44,115.14 arc(39.41,115.21) 39.35,115.23 39.29,115.23 arc(39.22,115.26) 39.19,115.33 39.19,115.38 arc(39.22,115.45) 39.29,115.48 39.35,115.48 arc(39.41,115.51) 39.44,115.57 39.44,115.62 arc(39.41,115.69) 39.35,115.72 39.29,115.72 arc(39.22,115.75) 39.19,115.82 39.19,115.86 arc(39.22,115.93) 39.29,115.96 39.35,115.96 arc(39.41,115.99) 39.44,116.06 39.44,116.11 arc(39.41,116.18) 39.35,116.2 39.29,116.2 arc(39.22,116.23) 39.19,116.3 39.19,116.35 arc(39.22,116.42) 39.29,116.45 39.35,116.45 arc(39.41,116.48) 39.44,116.54 39.44,116.59 arc(39.41,116.66) 39.35,116.69 39.29,116.69 arc(39.22,116.72) 39.19,116.79 39.19,116.83 arc(39.22,116.9) 39.29,116.93 39.35,116.93 arc(39.41,116.96) 39.44,117.03 39.44,117.08 arc(39.41,117.15) 39.35,117.17 39.29,117.17 arc(39.22,117.2) 39.19,117.27 39.19,117.32 arc(39.22,117.39) 39.29,117.42 39.35,117.42 arc(39.41,117.44) 39.44,117.51 39.44,117.56 arc(39.41,117.63) 39.35,117.66 39.29,117.66 arc(39.22,117.69) 39.19,117.76 39.19,117.8 arc(39.22,117.87) 39.29,117.9 39.35,117.9 arc(39.41,117.93) 39.44,118 39.44,118.05 arc(39.41,118.12) 39.35,118.14 39.29,118.14 arc(39.22,118.17) 39.19,118.24 39.19,118.29 arc(39.22,118.36) 39.29,118.39 39.35,118.39 arc(39.41,118.41) 39.44,118.48 39.44,118.53 arc(39.41,118.6) 39.35,118.63 39.29,118.63 arc(39.22,118.66) 39.19,118.73 39.19,118.77 arc(39.22,118.84) 39.29,118.87 39.35,118.87 arc(39.41,118.9) 39.44,118.97 39.44,119.02 arc(39.41,119.08) 39.35,119.11 39.29,119.11 arc(39.22,119.14) 39.19,119.21 39.19,119.26 arc(39.22,119.33) 39.29,119.36 39.35,119.36 arc(39.41,119.38) 39.44,119.45 39.44,119.5 arc(39.41,119.57) 39.35,119.6 39.29,119.6 arc(39.22,119.63) 39.19,119.69 39.19,119.74 arc(39.22,119.81) 39.29,119.84 39.35,119.84 arc(39.41,119.87) 39.44,119.94 39.44,119.99 arc(39.41,120.05) 39.35,120.08 39.29,120.08 arc(39.22,120.11) 39.19,120.18 39.19,120.23 arc(39.22,120.3) 39.29,120.33 39.35,120.33 arc(39.41,120.35) 39.44,120.42 39.44,120.47 arc(39.41,120.54) 39.35,120.57 39.29,120.57 arc(39.22,120.6) 39.19,120.66 39.19,120.71 arc(39.22,120.78) 39.29,120.81 39.35,120.81 arc(39.41,120.84) 39.44,120.91 39.44,120.96 arc(39.41,121.02) 39.35,121.05 39.29,121.05 arc(39.22,121.08) 39.19,121.15 39.19,121.2 arc(39.22,121.27) 39.29,121.29 39.35,121.29 arc(39.41,121.32) 39.44,121.39 39.44,121.44 arc(39.41,121.51) 39.35,121.54 39.29,121.54 arc(39.22,121.57) 39.19,121.63 39.19,121.68 arc(39.22,121.75) 39.29,121.78 39.35,121.78 arc(39.41,121.81) 39.44,121.88 39.44,121.92 arc(39.41,121.99) 39.35,122.02 39.29,122.02 arc(39.22,122.05) 39.19,122.12 v1(39.19,122.95)
